# Altium PCB STM32L476VE.PcbDoc (continued)
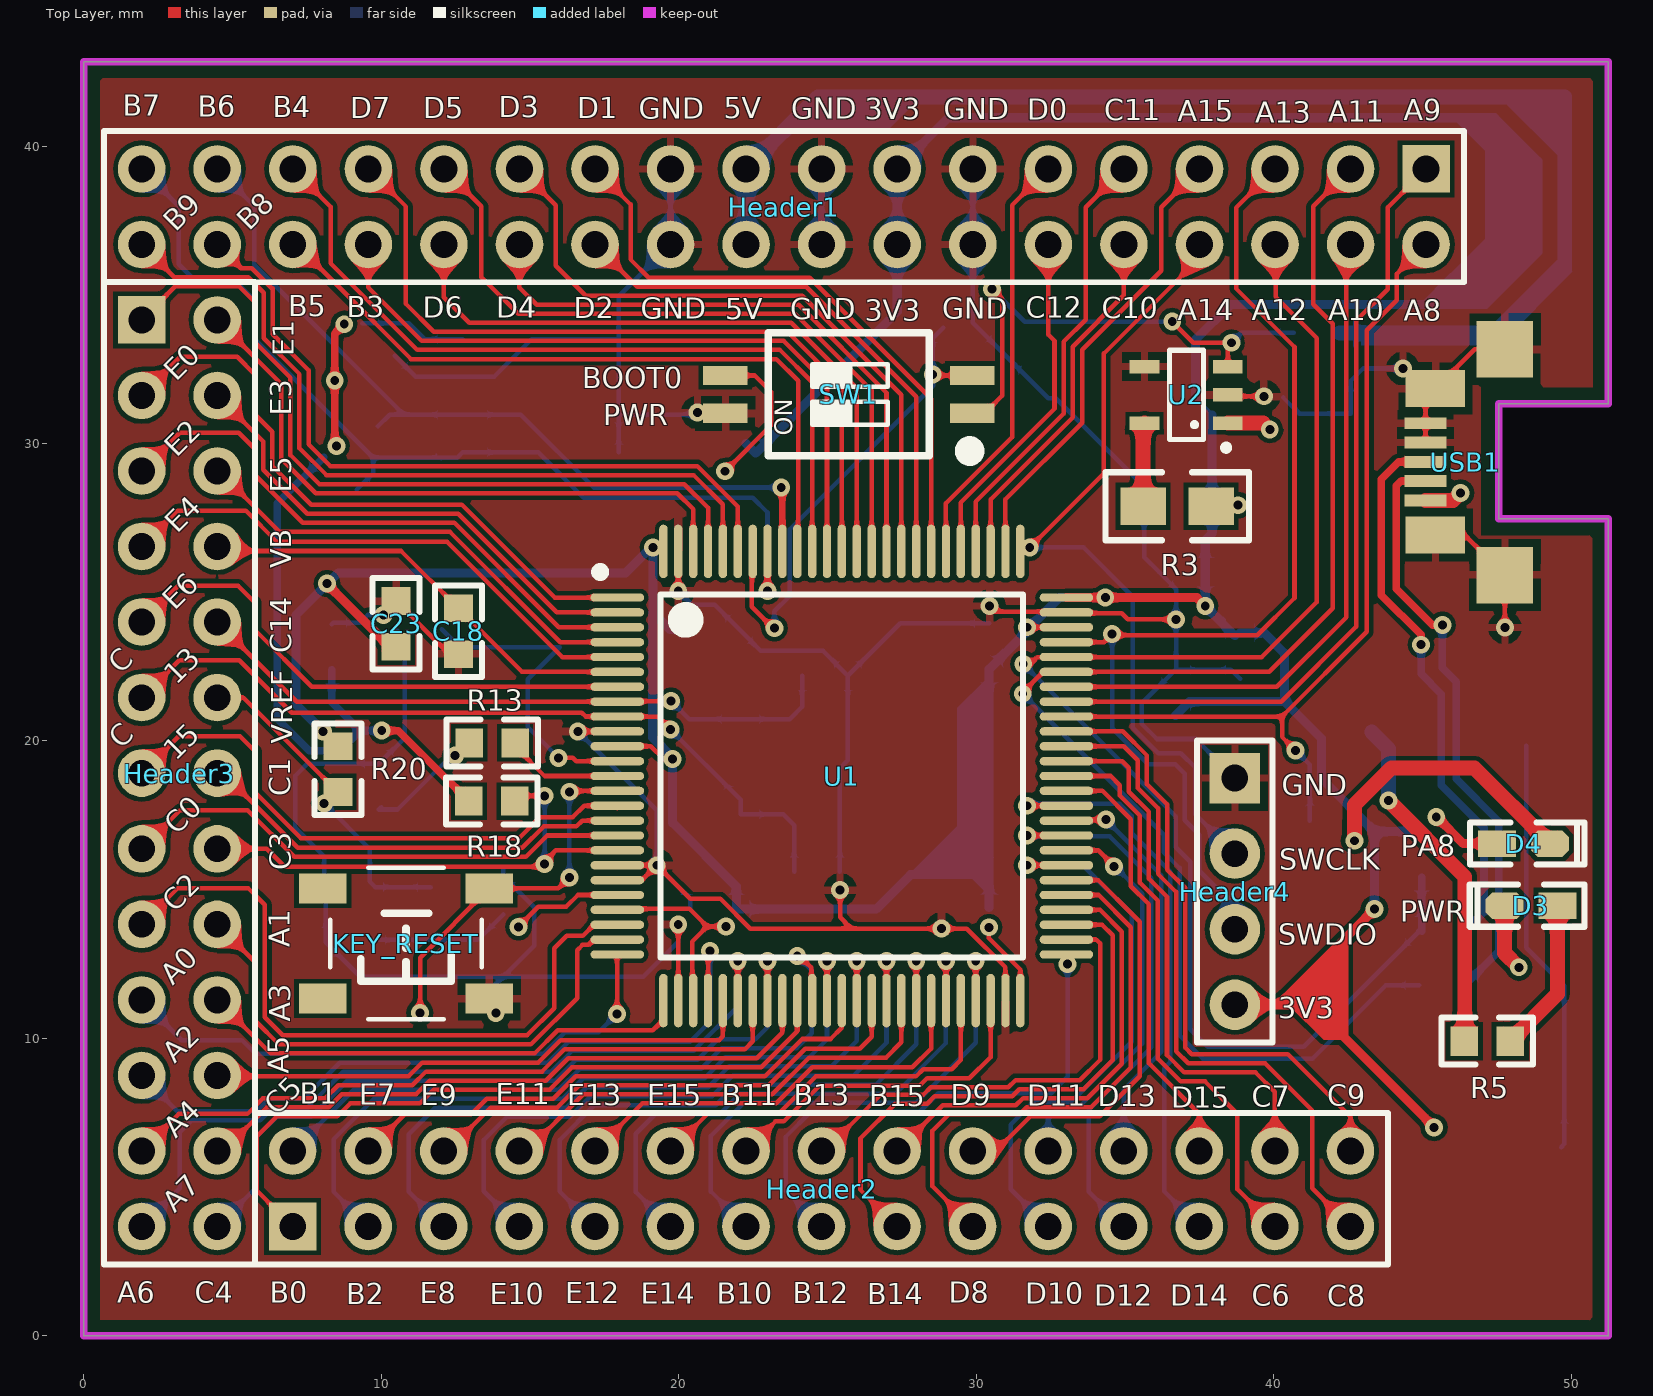
[diagram p0: Top Layer view]
## Nets (pads, with @x,y where several pads share a name; then routed paths per layer and width w, separated by ;. In a path a pad name is that pad's centre, name@x,y a point inside that pad or via, vN(x,y) a via of type N, cw(c..) or ccw(c..) an arc to the next point about the centre after c; other vN are vias at no path point) (continued)
  Bottom Layer w0.152: v1(19.72,20.38) 22.074,18.026 X2.4 23.504,17.531 23.875,17.16 C11.1
OSC_IN: C8.1 U1.12 X1.1 | length 11
  Top Layer w0.152: v1@16.064,19.321 v1(15.955,19.43) 15.96,19.435 16.43,19.435 16.544,19.321 U1.12
  Bottom Layer w0.152: C8.1 12.636,23.149 X1.1 14.915,22.07 14.915,20.47 v1(15.955,19.43)
OSC_OUT: R13.2 U1.13 | length 4
  Top Layer w0.152: R13.2 14.495,19.81 15.484,18.821 U1.13
OUTPUT3.3V: C1.1 C3.1 C15.1 C16.1 C19.1 C20.2 C21.2 C22.2 C23.1 D2.2 D4.1 DZ2.2 Header1.15 Header1.16 Header4.4 R3.2 R6.2 R10.1 R20.2 U1.11 U1.22 U1.28 U1.50 U1.73 U1.75 U1.100 | length 168.8
  Top Layer w0.152: U1.22 17.929,14.359 20.356,14.359 20.955,13.76 ; U1.11 19.052,19.821 19.482,19.391 v1(19.79,19.391) ; U1.28 20.451,11.271 20.451,13.256 20.955,13.76 ; v1(21.585,13.76) 20.955,13.76 ; v1(30.42,13.735) 30.42,13.375 31.479,12.316 U1.50 ; v1(31.702,23.821) U1.73
  Top Layer w0.304: v1(8.165,25.29) 8.165,25.281 10.281,23.165 C23.1 ; U1.75 v1(34.335,24.821) 37.414,24.821 v1(37.695,24.54) ; Header4.4 40.165,11.13 ; v1(43.38,14.345) 40.165,11.13 ; v1(45.39,7.01) 41.27,11.13 40.165,11.13 ; v1(45.461,17.439) 45.486,17.439 46.375,16.55 D4.1
  Bottom Layer w0.152: D2.2@37.365,31.52 D2.2@37.926,30.959
  Bottom Layer w0.304: v1(8.035,20.32) 7.125,21.23 7.125,24.22 8.555,25.65 18.21,25.65 v1@19.065,26.505 ; v1(19.13,26.505) 19.13,24.315 ; C19.1 19.694,23.751 19.13,24.315 ; R6.2@22.26,29.995 R6.2 27.34,34.435 Header1.16 Header1.15 29.06,40.95 47.415,40.95 48.875,39.49 48.875,36.43 47.115,34.67 38.555,34.67 37.365,33.48 D2.2@37.365,31.52 ; C21.2@30.429,14.396 30.429,16.09 ; v1@31.702,23.689 C15.1 30.429,16.09 ; v1@31.744,23.779 32.786,24.821 v1(34.335,24.821) ; C16.1 37.161,21.321 40.355,21.321 40.355,22.955 39.68,23.63 C20.2 ; v1(37.695,24.54) C3.1 37.695,26.745 37.926,26.976 C1.1 D2.2@37.926,30.959 ; v1@37.715,24.52 C20.2@38.693,23.542 ; 40.355,21.33 41.605,20.08 41.605,18.73 43.38,16.955 ; v1(43.38,14.345) 43.38,16.955 ; R10.1 43.38,16.955 ; 19.13,24.315 19.116,24.301 19.116,20.116 19.79,19.441 v1(19.79,19.391) 19.79,17.245 21.929,15.106 C22.2 26.631,14.346 27.79,15.505 29.844,15.505 30.429,16.09
  other v1: 38.79,27.925
PA0: Header3.17 U1.23 | length 23.5
  Top Layer w0.152: Header3.17 3.16,15.055 5.515,15.055 6.075,14.495 6.075,12.184 6.079,12.18 6.079,10.706 6.684,10.101 14.896,10.101 15.805,11.01 15.805,13.025 16.226,13.446 16.774,13.446 17.148,13.821 U1.23
PA1: Header3.18 U1.24 | length 18.7
  Top Layer w0.152: Header3.18 5.771,12.544 5.771,12.054 5.775,12.05 5.775,10.58 6.558,9.797 15.022,9.797 16.58,11.355 16.58,12.965 16.757,13.142 16.969,13.142 17.148,13.321 U1.24
PA2: Header3.19 U1.25 | length 19.3
  Top Layer w0.152: v1(17.92,10.825) 17.92,12.812 U1.25
  Bottom Layer w0.152: Header3.19 3.275,9.96 3.275,9.935 5.31,9.935 5.755,9.49 15.461,9.49 16.183,10.213 17.307,10.213 v1(17.92,10.825)
PA3: Header3.20 U1.26 | length 16.9
  Top Layer w0.152: Header3.20 6.282,9.493 15.148,9.493 15.925,10.27 19.125,10.27 19.479,10.624 U1.26
PA4: Header3.21 U1.29 | length 24.9
  Top Layer w0.152: U1.29 20.979,12.869 v1(21.05,12.94)
  Bottom Layer w0.152: Header3.21 3.141,7.554 5.799,7.554 6.224,7.979 7.389,7.979 8.596,9.186 15.587,9.186 16.297,9.896 20.377,9.896 21.051,10.57 v1(21.05,12.94)
PA5: Header3.22 U1.30 | length 18.8
  Top Layer w0.152: Header3.22 4.509,8.726 10.911,8.726 11.374,9.189 15.274,9.189 16.029,9.944 21.355,9.944 21.479,10.068 U1.30
PA6: Header3.25 U1.31 | length 27.1
  Top Layer w0.152: U1.31 21.979,12.342 v1(21.979,12.598)
  Bottom Layer w0.152: Header3.25 3.225,4.96 3.225,6.85 3.625,7.25 5.925,7.25 6.35,7.675 7.515,7.675 8.722,8.882 15.712,8.882 16.422,9.592 20.503,9.592 21.979,11.068 v1(21.979,12.598)
PA7: Header3.23 U1.32 | length 23.4
  Top Layer w0.152: Header3.23 3.185,7.46 5.495,7.46 6.018,7.983 8.104,7.983 8.543,8.422 11.037,8.422 11.5,8.885 15.4,8.885 16.155,9.64 22.22,9.64 22.479,9.899 U1.32
PA8: Header1.2 R2.2 U1.67 | length 29
  Top Layer w0.152: U1.67 40.276,20.821 ; v1(40.73,19.68) 40.276,20.134 40.276,20.821 ; Header1.2 44.129,35.699 44.129,34.819 43.12,33.81 43.12,23.665 40.276,20.821
  Bottom Layer w0.152: v1(40.73,19.68) 41.215,19.195 R2.2
PA9: Header1.1 U1.68 | length 27.1
  Top Layer w0.152: U1.68 40.252,21.321 42.776,23.844 42.776,34.136 43.825,35.185 43.825,37.935 Header1.1
PA10: Header1.4 U1.69 | length 23
  Top Layer w0.152: U1.69 40.101,21.821 42.43,24.15 42.43,36.54 Header1.4
PA15: Header1.7 U1.77 | length 15.6
  Top Layer w0.152: U1.77 30.979,28.124 33.555,30.7 33.555,33.145 36.215,35.805 36.215,37.945 Header1.7
PB0: Header2.1 U1.35 | length 24.2
  Top Layer w0.152: Header2.1 5.805,4.885 5.805,6.7 6.48,7.375 8.515,7.375 8.954,7.814 11.289,7.814 11.752,8.277 15.652,8.277 16.406,9.031 22.766,9.031 23.979,10.244 U1.35
PB1: Header2.2 U1.36 | length 23.7
  Top Layer w0.152: v1(23.979,12.775) 24.06,12.775 24.451,12.384 24.451,11.299 U1.36
  Bottom Layer w0.152: Header2.2 9.074,8.274 15.964,8.274 16.674,8.984 20.754,8.984 21.434,9.664 23.954,9.664 24.465,10.175 24.465,12.289 v1(23.979,12.775)
PB2: Header2.3 U1.37 | length 25.4
  Top Layer w0.152: U1.37 v1(24.979,12.598)
  Bottom Layer w0.152: Header2.3 8.39,4.84 8.39,6.61 9.75,7.97 16.09,7.97 16.781,8.661 20.861,8.661 21.56,9.36 24.375,9.36 24.979,9.964 v1(24.979,12.598)
PB3: Header1.30 U1.89 | length 23.8
  Top Layer w0.152: Header1.30 9.56,35.245 11.358,33.447 23.523,33.447 24.979,31.991 U1.89
PB4: Header1.31 U1.90 | length 27.2
  Top Layer w0.152: Header1.31 8.29,37.96 8.29,36.055 11.202,33.143 23.397,33.143 24.479,32.061 U1.90
PB5: Header1.32 U1.91 | length 24.6
  Top Layer w0.152: Header1.32 7.142,36.69 8.618,35.214 10.993,32.839 23.271,32.839 24.007,32.103 24.007,26.399 U1.91
PB8: Header1.34 U1.95 | length 25
  Top Layer w0.152: Header1.34 5.276,35.894 5.646,35.894 6.318,35.222 6.343,35.222 6.343,33.667 7.549,32.461 7.549,29.971 8.278,29.242 20.618,29.242 21.979,27.881 U1.95
PB9: Header1.36 U1.96 | length 27.1
  Top Layer w0.152: Header1.36 3.04,35.59 5.52,35.59 6.039,35.071 6.039,33.541 7.245,32.335 7.245,29.845 8.152,28.938 20.492,28.938 21.479,27.951 U1.96
PB10: Header2.13 U1.47 | length 17.8
  Top Layer w0.152: U1.47 29.979,12.342 v1(29.979,12.598)
  Bottom Layer w0.152: Header2.13 21.078,4.853 21.078,6.727 22.19,7.84 27.97,7.84 29.979,9.849 v1(29.979,12.598)
PB11: Header2.14 U1.48 | length 11.4
  Top Layer w0.152: Header2.14 23.247,7.207 23.522,7.207 24.731,8.416 28.096,8.416 28.341,8.661 29.766,8.661 30.479,9.374 U1.48
PB12: Header2.15 U1.51 | length 18.1
  Top Layer w0.152: U1.51 U1.51@33.12,12.73 ; v1(33.065,12.495) v1@33.065,12.675 ; v1@33.065,12.675 U1.51@33.12,12.73 ; v1@33.065,12.675 U1.51@33.12,12.73
  Bottom Layer w0.152: Header2.15 23.6,4.87 23.6,6.7 24.436,7.536 28.096,7.536 28.717,8.157 32.512,8.157 33.065,8.71 v1(33.065,12.495)
PB13: Header2.16 U1.52 | length 15.7
  Top Layer w0.152: Header2.16 24.895,6.215 26.577,7.897 26.792,8.112 28.222,8.112 28.467,8.357 31.077,8.357 31.316,8.596 33.477,8.596 34.157,9.276 34.157,13.202 34.038,13.321 U1.52
PB14: Header2.17 U1.53 | length 18.9
  Top Layer w0.152: Header2.17 26.105,4.905 26.105,6.643 27.27,7.808 28.348,7.808 28.593,8.053 31.203,8.053 31.442,8.292 33.603,8.292 34.585,9.274 34.585,13.462 34.226,13.821 U1.53
PB15: Header2.18 U1.54 | length 15.4
  Top Layer w0.152: Header2.18 28.869,7.749 31.329,7.749 31.568,7.988 33.729,7.988 34.889,9.148 34.889,13.588 34.156,14.321 U1.54
PC0: Header3.13 U1.15 | length 19.3
  Top Layer w0.152: Header3.13 3.185,20.16 5.245,20.16 5.76,19.645 5.76,18.265 7.29,16.735 14.633,16.735 15.327,17.429 16.424,17.429 16.816,17.821 U1.15 U1.15@17.929,17.745
PC1: Header3.14 U1.16 | length 14.9
  Top Layer w0.152: Header3.14 4.68,18.915 7.19,16.405 14.733,16.405 15.453,17.125 16.55,17.125 16.746,17.321 U1.16
PC2: Header3.15 U1.17 | length 17.5
  Top Layer w0.152: Header3.15 3.23,17.665 5.5,17.665 7.064,16.101 14.859,16.101 15.579,16.821 U1.17
PC3: Header3.16 R18.2 U1.18 | length 18.7
  Top Layer w0.152: Header3.16 6.143,16.375 6.75,15.768 v1@15.311,15.768 ; R18.2 R18.2@14.55,17.905 ; v1(15.485,15.866) 15.387,15.768 v1@15.311,15.768 ; v1(15.485,18.155) R18.2@14.8,18.155 ; U1.18 15.864,16.321 ; R18.2@14.55,17.905 R18.2@14.8,18.155 ; R18.2@14.55,17.905 R18.2@14.8,18.155 ; v1@15.311,15.768 15.864,16.321 ; v1@15.311,15.768 15.864,16.321
  Bottom Layer w0.152: v1(15.485,15.866) v1(15.485,18.155)
PC3_POWER: C12.1 C17.1 R16.2 R17.2 R18.1 U3.8 | length 27.9
  Top Layer w0.254: v1(8.49,29.92) 8.43,29.98 v1(8.43,32.115) 8.43,33.69 v1(8.75,34.01) ; v1(10.01,20.345) 10.57,20.345 R18.1
  Bottom Layer w0.152: R16.2@8.054,29.539 R16.2 ; C17.1 10.926,34.039 11.455,33.51 U3.8
  Bottom Layer w0.254: R16.2@8.054,29.539 6.505,27.99 6.505,20.74 7.575,19.67 8.61,19.67 9.285,20.345 ; C12.1 8.33,21.3 9.285,20.345 ; v1(10.01,20.345) 9.285,20.345
PC4: Header3.26 U1.33 | length 25.8
  Top Layer w0.152: U1.33 22.979,12.342 v1(22.979,12.598)
  Bottom Layer w0.152: Header3.26 5.815,5.01 5.815,6.71 6.476,7.371 7.641,7.371 8.848,8.578 15.838,8.578 16.548,9.288 20.629,9.288 21.309,9.968 22.573,9.968 22.979,10.374 v1(22.979,12.598)
PC5: Header3.24 U1.34 | length 21.7
  Top Layer w0.152: Header3.24 4.68,6.215 6.144,7.679 8.23,7.679 8.669,8.118 11.163,8.118 11.626,8.581 15.526,8.581 16.28,9.335 22.62,9.335 23.479,10.194 U1.34
PC6: Header2.27 U1.63 | length 19.4
  Top Layer w0.152: U1.63 34.514,18.821 34.823,18.512 34.823,18.166 35.499,17.49 35.499,15.238 36.105,14.632 36.105,9.315 36.868,8.552 37.688,8.552 38.775,7.465 38.775,4.935 Header2.27
PC7: Header2.28 U1.64 | length 18.5
  Top Layer w0.152: U1.64 34.906,19.321 35.127,19.1 35.127,18.292 35.803,17.616 35.803,15.364 36.409,14.758 36.409,9.441 36.994,8.856 39.384,8.856 40.035,8.205 Header2.28
PC8: Header2.29 U1.65 | length 22.7
  Top Layer w0.152: U1.65 34.955,19.821 35.431,19.345 35.431,18.418 36.107,17.742 36.107,15.529 36.713,14.923 36.713,9.567 37.12,9.16 39.705,9.16 41.29,7.575 41.29,4.96 Header2.29
PC9: Header2.30 U1.66 | length 21.1
  Top Layer w0.152: U1.66 34.924,20.321 35.735,19.51 35.735,18.544 36.411,17.868 36.411,15.669 37.017,15.063 37.017,9.693 37.24,9.47 40.475,9.47 42.575,7.37 Header2.30
PC10: Header1.10 U1.78 | length 12.2
  Top Layer w0.152: U1.78 30.479,28.119 33.235,30.875 33.235,33.255 34.96,34.98 Header1.10
PC11: Header1.9 U1.79 | length 14.9
  Top Layer w0.152: U1.79 29.979,28.049 32.931,31.001 32.931,33.416 33.675,34.16 33.675,37.945 Header1.9
PC12: Header1.12 U1.80 | length 11.7
  Top Layer w0.152: U1.80 29.479,28.014 32.627,31.162 32.627,33.455 32.42,33.662 Header1.12
PC13: Header3.9 U1.7 | length 18.4
  Top Layer w0.152: Header3.9 3.165,25.22 5.18,25.22 5.75,24.65 5.75,23.73 7.659,21.821 U1.7
PD0: Header1.11 U1.81 | length 14.3
  Top Layer w0.152: U1.81 28.979,27.991 31.2,30.212 31.2,38.01 Header1.11
PD1: Header1.23 U1.82 | length 20.7
  Top Layer w0.152: Header1.23 18.375,38.035 18.375,36.185 18.985,35.575 24.404,35.575 28.479,31.501 U1.82
PD2: Header1.24 U1.83 | length 18.1
  Top Layer w0.152: Header1.24 18.599,35.271 24.278,35.271 27.979,31.571 U1.83
PD3: Header1.25 U1.84 | length 22.4
  Top Layer w0.152: Header1.25 15.864,38.006 15.864,35.971 16.868,34.967 24.152,34.967 27.479,31.641 U1.84
PD4: Header1.26 U1.85 | length 20.6
  Top Layer w0.152: Header1.26 14.64,35.239 15.216,34.663 24.027,34.663 26.979,31.711 U1.85
PD5: Header1.27 U1.86 | length 24.3
  Top Layer w0.152: Header1.27 13.36,37.97 13.36,35.595 14.596,34.359 23.901,34.359 26.479,31.781 U1.86
PD6: Header1.28 U1.87 | length 22.4
  Top Layer w0.152: Header1.28 12.1,34.91 12.955,34.055 23.775,34.055 25.979,31.851 U1.87
PD7: Header1.29 U1.88 | length 26.4
  Top Layer w0.152: Header1.29 10.825,37.965 10.825,34.69 11.764,33.751 23.649,33.751 25.479,31.921 U1.88
PD8: Header2.19 U1.55 | length 18.7
  Top Layer w0.152: Header2.19 28.525,5.025 28.525,6.89 29.08,7.445 31.455,7.445 31.694,7.684 33.855,7.684 35.193,9.022 35.193,13.738 34.11,14.821 U1.55
PD9: Header2.20 U1.56 | length 14.9
  Top Layer w0.152: Header2.20 30.655,6.215 31.82,7.38 34.15,7.38 35.497,8.727 35.497,13.918 35.31,14.105 34.105,15.31 34.105,15.321 U1.56
PD10: Header2.21 U1.57 | length 19
  Top Layer w0.152: v1(31.702,15.821) U1.57
  Bottom Layer w0.152: v1(31.702,15.821) 33.579,15.821 35.219,14.181 35.219,9.893 33.178,7.853 31.908,7.853 31.16,7.105 31.16,4.93 Header2.21
PD11: Header2.22 U1.58 | length 13.5
  Top Layer w0.152: U1.58 34.1,16.321 34.629,15.792 v1(34.629,15.778)
  Bottom Layer w0.152: Header2.22 32.415,7.299 32.643,7.527 33.283,7.527 35.582,9.827 35.582,14.858 34.662,15.778 v1(34.629,15.778)
PD12: Header2.23 U1.59 | length 19.2
  Top Layer w0.152: v1(31.702,16.821) U1.59
  Bottom Layer w0.152: v1(31.702,16.821) 31.73,16.793 34.477,16.793 35.886,15.384 35.886,9.701 33.78,7.595 33.78,4.85 Header2.23
PD13: Header2.24 U1.60 | length 13.8
  Top Layer w0.152: U1.60 33.062,17.354 v1(34.354,17.354)
  Bottom Layer w0.152: v1(34.354,17.354) 34.354,17.346 36.222,15.478 36.222,9.546 34.955,8.28 Header2.24
PD14: Header2.25 U1.61 | length 20
  Top Layer w0.152: v1(31.702,17.821) U1.61
  Bottom Layer w0.152: v1(31.702,17.821) 31.763,17.882 34.823,17.882 35.227,17.478 35.227,16.902 36.526,15.604 36.526,9.21 36.315,9 36.315,4.855 Header2.25
PD15: Header2.26 U1.62 | length 14.7
  Top Layer w0.152: U1.62 34.238,18.321 35.195,17.364 35.195,15.112 35.801,14.506 35.801,9.166 37.497,7.47 37.497,6.217 Header2.26
PE0: Header3.1 U1.97 | length 26.4
  Top Layer w0.152: Header3.1 3.071,35.286 5.214,35.286 5.735,34.765 5.735,33.415 6.941,32.209 6.941,29.611 7.918,28.634 20.181,28.634 20.979,27.836 U1.97
PE1: Header3.2 U1.98 | length 21.5
  Top Layer w0.152: Header3.2 6.637,31.998 6.637,29.485 7.792,28.33 19.944,28.33 20.479,27.795 U1.98
PE2: Header3.3 U1.1 | length 21.3
  Top Layer w0.152: Header3.3 3.235,32.91 5.155,32.91 5.727,32.338 5.727,30.997 6.333,30.392 6.333,29.241 7.636,27.938 12.707,27.938 15.824,24.821 U1.1
PE3: Header3.4 U1.2 | length 17
  Top Layer w0.152: Header3.4 6.029,30.066 6.029,29.115 7.51,27.634 12.581,27.634 15.894,24.321 U1.2
PE4: Header3.5 U1.3 | length 19.7
  Top Layer w0.152: Header3.5 3.22,30.355 5.205,30.355 5.725,29.835 5.725,28.96 7.355,27.33 12.455,27.33 15.964,23.821 U1.3
PE5: Header3.6 U1.4 | length 15.8
  Top Layer w0.152: Header3.6 4.535,29.075 6.585,27.025 12.305,27.025 16.009,23.321 U1.4
PE6: Header3.7 U1.5 | length 18.5
  Top Layer w0.152: Header3.7 3.15,27.745 5.435,27.745 6.491,26.689 12.211,26.689 16.079,22.821 U1.5
PE7: Header2.4 U1.38 | length 18.6
  Top Layer w0.152: Header2.4 10.788,7.447 13.017,7.447 13.543,7.973 15.778,7.973 16.532,8.727 22.892,8.727 24.145,9.98 25.099,9.98 25.479,10.36 U1.38
PE8: Header2.5 U1.39 | length 24
  Top Layer w0.152: U1.39 25.979,12.342 v1(25.979,12.598)
  Bottom Layer w0.152: Header2.5 10.92,4.85 10.92,6.775 11.811,7.666 16.216,7.666 16.907,8.357 20.987,8.357 21.686,9.056 25.121,9.056 25.979,9.914 v1(25.979,12.598)
PE9: Header2.6 U1.40 | length 17.2
  Top Layer w0.152: Header2.6 12.215,6.215 13.669,7.669 15.903,7.669 16.657,8.423 23.018,8.423 24.25,9.655 26.08,9.655 26.479,10.054 U1.40
PE10: Header2.7 U1.41 | length 22.4
  Top Layer w0.152: U1.41 v1(26.979,12.598)
  Bottom Layer w0.152: Header2.7 13.445,4.865 13.445,6.585 14.222,7.362 16.342,7.362 17.033,8.053 21.113,8.053 21.812,8.752 25.882,8.752 26.979,9.849 v1(26.979,12.598)
PE11: Header2.8 U1.42 | length 15.8
  Top Layer w0.152: Header2.8 14.879,6.215 16.783,8.119 23.144,8.119 24.376,9.351 26.963,9.351 27.479,9.867 U1.42
PE12: Header2.9 U1.43 | length 20.8
  Top Layer w0.152: U1.43 v1(27.979,12.598)
  Bottom Layer w0.152: Header2.9 15.995,4.855 15.995,6.585 17.159,7.749 21.239,7.749 21.938,8.448 26.628,8.448 27.979,9.799 v1(27.979,12.598)
PE13: Header2.10 U1.44 | length 14.3
  Top Layer w0.152: Header2.10 18.775,7.815 23.27,7.815 24.48,9.025 27.845,9.025 28.479,9.658 U1.44
PE14: Header2.11 U1.45 | length 19.4
  Top Layer w0.152: U1.45 28.979,12.342 v1(28.979,12.598)
  Bottom Layer w0.152: Header2.11 18.555,4.835 18.555,6.79 19.21,7.445 21.365,7.445 22.064,8.144 27.279,8.144 28.979,9.844 v1(28.979,12.598)
PE15: Header2.12 U1.46 | length 13
  Top Layer w0.152: Header2.12 21.011,7.511 23.396,7.511 24.605,8.72 27.97,8.72 28.215,8.965 29.17,8.965 29.479,9.274 29.479,10.2 U1.46
R_USB_N: R8.2 USB1.2 | length 19.9
  Top Layer w0.254: USB1.2 44.273,28.735 44.121,28.583 44.121,25.111 45.337,23.895 v1(45.665,23.895)
  Bottom Layer w0.254: v1(45.665,23.895) 45.665,22.455 46.133,21.988 46.133,21.574 46.133,18.723 47.564,17.292 47.564,14.245 47.564,12.929 R8.2
R_USB_P: R9.2 USB1.3 | length 18.6
  Top Layer w0.254: v1(44.95,23.235) 44.95,23.563 43.613,24.9 43.613,28.793 44.202,29.383 USB1.3
  Bottom Layer w0.254: v1(44.95,23.235) 44.95,22.258 45.634,21.574 45.634,18.516 47.065,17.085 47.065,14.245 R9.2
RESET: C5.1 KEY_RESET.2 U1.14 | length 12.6
  Top Layer w0.152: v1(11.3,10.86) 11.3,12.715 KEY_RESET.2@13.61,15.025 ; v1(16.32,15.41) 16.315,15.41 15.945,15.04 KEY_RESET.2 KEY_RESET.2@13.61,15.025 ; v1(16.32,18.29) 16.351,18.321 U1.14 ; KEY_RESET.2@13.61,15.025 13.61,15.09 KEY_RESET.2@13.61,15.025
  Bottom Layer w0.152: v1@16.315,15.41 v1(16.32,15.41) v1(16.32,18.29)
SWCLK: Header1.8 Header4.2 U1.76 | length 27.2
  Top Layer w0.152: v1(31.795,26.505) 34.29,29 34.29,33.025 37.5,36.235 Header1.8
  Bottom Layer w0.152: v1(31.795,26.505) 33.609,26.505 35.261,24.853 35.261,20.445 36.119,19.588 36.872,19.588 37.365,19.095 37.365,17.535 Header4.2
SWCLK_P: Header1.5 Header4.3 U1.72 | length 36.9
  Top Layer w0.152: U1.72 34.291,23.321 34.525,23.555 39.445,23.555 40.695,24.805 40.695,33.245 38.73,35.21 38.73,37.92 Header1.5 Header1.5@39.39,39.23
  Bottom Layer w0.152: v1(34.565,23.595) 34.565,20.425 35.775,19.215 36.684,19.215 37.003,18.896 37.003,17.336 37.49,16.849 37.49,15.64 38.69,14.44 Header4.3
VBAT: C18.1 Header3.8 U1.6 | length 15.2
  Top Layer w0.152: Header3.8 4.63,26.385 10.66,26.385 C18.1 14.724,22.321 U1.6
VREF: C13.1 Header3.12 L1.1 R20.1 | length 10.8
  Top Layer w0.152: Header3.12 5.361,21.455 R20.1
  Bottom Layer w0.152: v1(8.075,17.9) 9.61,16.365 C13.1 9.797,15.088 L1.1
pads on no net: KEY_RESET.3 KEY_RESET.4 X2.2 X2.3

## Polygon pours and split planes (outlines as drawn)
GND on Top Layer "GND_L01_P114" (solid, remove dead copper, pour order 114): 50.725,42.275 50.72,31.885 46.96,31.885 46.96,26.915 46.97,26.905 50.7,26.91 50.705,0.53 0.545,0.545 0.545,42.28
GND on Top Layer "GND_L01_P112" (solid, remove dead copper, pour order 112): 40.31,33.63 34.48,33.63 34.48,30.345 34.425,30.29 34.625,30.49 40.508,30.49
GND on Top Layer "GND_L01_P113" (solid, remove dead copper, pour order 113): 49.9,25.935 36.79,25.935 35.295,24.44 35.195,24.34 35.195,17.364 49.546,17.364 49.645,17.265
GND on Bottom Layer "GND_L02_P119" (solid, remove dead copper, pour order 119): 0.55,0.535 0.55,42.275 0.545,42.28 50.72,42.28 50.72,31.885 50.715,31.88 46.965,31.88 46.965,26.91 46.97,26.905 50.695,26.905 50.695,0.545 50.685,0.535 0.55,0.535 0.55,0.54 0.545,0.545
+5VIN on Bottom Layer "+5VIN_L02_P117" (solid, remove dead copper, pour order 117): 46.585,31.365 46.487,31.267 37.618,31.267 37.618,16.683 37.565,16.63 38.02,17.085 46.56,17.085 46.56,31.26 46.605,31.305
+5VIN on Bottom Layer "+5VIN_L02_P118" (solid, remove dead copper, pour order 118): 46.345,31.675 35.68,31.675 36.29,31.065 36.29,23.42 43.02,16.69 43.02,16.155 43.02,10.685 44.125,9.58 44.318,9.387 44.318,6.905 44.318,5.987 46.535,3.77 47.95,3.77 47.95,8.395 46.65,9.695 46.42,9.925 46.42,31.675
+5VIN on Bottom Layer "+5VIN_L02_P115" (solid, remove dead copper, pour order 115): 47.39,33.73 42.23,33.73 42.215,33.715 40.97,32.47 38.105,32.47 38.105,31.49 38.328,31.267 45.87,31.267 45.87,32.12 46.16,32.41 46.18,32.39 48.455,32.39 48.455,32.705 47.425,33.735
+5VIN on Bottom Layer "+5VIN_L02_P116" (solid, remove dead copper, pour order 116): 47.405,33.715 42.215,33.715 40.97,32.47 41.46,31.98 41.46,31.015 45.76,31.015 46.42,31.675 46.42,32.14 46.61,32.33 47.915,32.33 48.4,32.33 50.035,34.035 50.035,34.115 50.035,36.06 49.81,36.06 49.78,36.09

## Keep-outs
Keep-Out Layer:
  lines w0.254: 0,0 42.04,0 51.235,0 51.235,27.47 47.555,27.47 47.555,31.33 51.235,31.33 51.235,42.825 0,42.825 0,0

## Other copper
Top Layer:
  region net OUTPUT3.3V: 40.501,11.13 40.501,11.12 41.67,9.95 42.41,9.95 41.27,11.09 41.27,11.13 40.385,11.13 40.37,11.145
  region net OUTPUT3.3V: 40.37,11.145 42.495,13.27 42.495,9.985 41.36,11.12 40.375,11.12
Bottom Layer:
  region net OUTPUT3.3V: 27.735,15.505 29.355,17.125 30.455,17.125 30.374,17.044 30.374,16.09 30.31,16.09 29.725,15.505
  region net OUTPUT3.3V: 29.355,17.125 29.365,17.135 29.365,21.1 29.66,21.1 30.41,21.85 30.455,21.805 30.455,17.125
  region net OUTPUT3.3V: 29.365,21.1 29.365,21.11 30.295,22.04 30.32,22.015 30.32,21.321 30.046,21.321 29.755,21.03 29.685,21.1
  region net OUTPUT3.3V: 29.725,15.505 30.37,14.86 30.37,16.03 30.31,16.09
  region net OUTPUT3.3V: 45.965,40.96 45.985,40.96 48.085,38.86 48.085,36.64 46.115,34.67 47.115,34.67 48.875,36.43 48.875,39.49 47.415,40.95
  region net OUTPUT3.3V: 47.705,35.72 45.935,35.72 44.885,34.67 47.115,34.67 47.115,35.055 47.72,35.66
  region net OUTPUT3.3V: 45.945,35.72 48.355,38.13 48.355,36.48 48.285,36.48 47.075,35.27 46.625,35.72
  region net OUTPUT3.3V: 47.11,40.085 47.11,36.23 47.145,36.195 47.92,36.97 48.455,36.97 48.455,39.39 47.64,40.205 47.185,40.205
  region net +5VIN: 49.74,39.465 49.74,39.48 47.575,41.645 49.78,41.645 49.78,39.655 49.855,39.58
  region net +5VIN: 28.19,41.7 26.915,40.425 23.415,40.425 23.395,40.445 24.595,41.645 28.105,41.645 28.145,41.685
  region net +5VIN: 50.015,36.17 50.015,35.785 50.035,35.765 47.575,33.305 42.934,33.305 42.934,33.569 43.08,33.715 47.525,33.715 50.01,36.2

## Silkscreen, mask and mechanical layers (free items; w line width, h text height)
Top Overlay:
  text "B7" at 1.31,41.02 h0.7
  text "B6" at 3.82,40.985 h0.7
  text "B4" at 6.343,40.965 h0.7
  text "D3" at 13.945,40.965 h0.7
  text "D7" at 8.945,40.94 h0.7
  text "D5" at 11.41,40.94 h0.7
  text "D1" at 16.58,40.93 h0.7
  text "5V" at 21.51,40.94 h0.7
  text "GND" at 18.645,40.92 h0.7
  text "GND" at 23.77,40.92 h0.7
  text "3V3" at 26.255,40.895 h0.7
  text "GND" at 28.905,40.895 h0.7
  text "D0" at 31.715,40.88 h0.7
  text "C11" at 34.297,40.86 h0.7
  text "A9" at 44.376,40.86 h0.7
  text "A15" at 36.767,40.835 h0.7
  text "A11" at 41.832,40.82 h0.7
  text "A13" at 39.383,40.785 h0.7
  text "B8" at 5.56,37.12 h0.7 r45
  text "B9" at 3.09,37.09 h0.7 r45
  text "B5" at 6.862,34.28 h0.7
  text "B3" at 8.827,34.245 h0.7
  text "C12" at 31.657,34.23 h0.7
  text "D6" at 11.395,34.22 h0.7
  text "D4" at 13.867,34.22 h0.7
  text "D2" at 16.465,34.205 h0.7
  text "C10" at 34.22,34.205 h0.7
  text "GND" at 18.725,34.186 h0.7
  text "5V" at 21.55,34.175 h0.7
  text "GND" at 23.75,34.17 h0.7
  text "GND" at 28.85,34.195 h0.7
  text "A14" at 36.767,34.145 h0.7
  text "A12" at 39.262,34.145 h0.7
  text "A10" at 41.832,34.145 h0.7
  text "3V3" at 26.25,34.125 h0.7
  text "A8" at 44.376,34.125 h0.7
  text "E1" at 7.06,32.937 h0.7 r90
  text "E0" at 3.1,32.061 h0.7 r45
  text "BOOT0" at 16.751,31.861 h0.7
  text "E3" at 6.97,30.936 h0.7 r90
  text "PWR" at 17.465,30.61 h0.7
  text "E2" at 3.115,29.5 h0.7 r45
  text "E5" at 6.97,28.34 h0.7 r90
  text "E4" at 3.135,26.95 h0.7 r45
  text "VB" at 6.965,25.805 h0.7 r90
  text "E6" at 3.06,24.365 h0.7 r45
  text "C14" at 6.97,22.945 h0.7 r90
  text "C" at 1.23,22.23 h0.7 r45
  text "13" at 3.095,21.86 h0.7 r45
  text "VREF" at 7,19.9 h0.7 r90
  text "C" at 1.25,19.705 h0.7 r45
  text "15" at 3.08,19.305 h0.7 r45
  text "C1" at 6.941,18.144 h0.7 r90
  text "GND" at 40.266,18.166 h0.7
  text "C0" at 3.125,16.81 h0.7 r45
  text "PA8" at 44.275,16.13 h0.7
  text "C3" at 6.955,15.66 h0.7 r90
  text "SWCLK" at 40.18,15.665 h0.7
  text "C2" at 3.055,14.2 h0.7 r45
  text "PWR" at 44.25,13.918 h0.7
  text "SWDIO" at 40.155,13.15 h0.7
  text "A1" at 6.91,13.071 h0.7 r90
  text "A0" at 2.985,11.75 h0.7 r45
  text "3V3" at 40.15,10.675 h0.7
  text "A3" at 6.93,10.566 h0.7 r90
  text "A2" at 3.05,9.13 h0.7 r45
  text "A5" at 6.89,8.811 h0.7 r90
  text "B1" at 7.255,7.8 h0.7
  text "E11" at 13.84,7.78 h0.7
  text "E7" at 9.255,7.765 h0.7
  text "E9" at 11.317,7.755 h0.7
  text "E13" at 16.245,7.755 h0.7
  text "E15" at 18.928,7.755 h0.7
  text "B11" at 21.433,7.755 h0.7
  text "D9" at 29.135,7.755 h0.7
  text "B13" at 23.865,7.745 h0.7
  text "D11" at 31.717,7.735 h0.7
  text "C9" at 41.796,7.735 h0.7
  text "B15" at 26.405,7.725 h0.7
  text "D13" at 34.08,7.725 h0.7
  text "C7" at 39.252,7.695 h0.7
  text "D15" at 36.545,7.675 h0.7
  text "C5" at 6.48,7.375 h0.7 r45
  text "A4" at 3.08,6.605 h0.7 r45
  text "A7" at 3.06,4.1 h0.7 r45
  text "A6" at 1.117,1.105 h0.7
  text "C4" at 3.717,1.105 h0.7
  text "B0" at 6.247,1.12 h0.7
  text "B12" at 23.825,1.1 h0.7
  text "D8" at 29.077,1.105 h0.7
  text "E8" at 11.287,1.095 h0.7
  text "E12" at 16.175,1.095 h0.7
  text "E14" at 18.71,1.075 h0.7
  text "B10" at 21.28,1.085 h0.7
  text "D10" at 31.64,1.08 h0.7
  text "B2" at 8.817,1.07 h0.7
  text "E10" at 13.64,1.065 h0.7
  text "B14" at 26.335,1.065 h0.7
  text "D12" at 33.97,1.01 h0.7
  text "D14" at 36.515,1.01 h0.7
  text "C6" at 39.252,1.02 h0.7
  text "C8" at 41.796,1 h0.7
Bottom Overlay:
  text "B7" at 2.786,41.026 h0.7
  text "B6" at 5.296,40.991 h0.7
  text "B4" at 7.819,40.971 h0.7
  text "D3" at 15.421,40.971 h0.7
  text "D7" at 10.421,40.946 h0.7
  text "D5" at 12.886,40.946 h0.7
  text "D1" at 18.056,40.936 h0.7
  text "5V" at 22.986,40.946 h0.7
  text "GND" at 20.805,40.925 h0.7
  text "GND" at 25.245,40.926 h0.7
  text "3V3" at 27.731,40.901 h0.7
  text "GND" at 30.381,40.901 h0.7
  text "D0" at 33.191,40.886 h0.7
  text "C11" at 35.773,40.866 h0.7
  text "A9" at 45.851,40.866 h0.7
  text "A15" at 38.243,40.841 h0.7
  text "A11" at 43.308,40.826 h0.7
  text "A13" at 40.859,40.791 h0.7
  text "B8" at 6.6,38.14 h0.7 r45
  text "B9" at 4.125,38.12 h0.7 r45
  text "B3" at 11.335,35.525 h0.7 r45
  text "3V3" at 28.43,34.705 h0.7
  text "GND" at 30.95,34.675 h0.7
  text "A10" at 43.665,34.58 h0.7
  text "C12" at 33.49,34.56 h0.7
  text "A14" at 38.51,34.56 h0.7
  text "A12" at 40.995,34.565 h0.7
  text "D2" at 17.839,34.541 h0.7
  text "GND" at 25.91,34.535 h0.7
  text "C10" at 36.03,34.55 h0.7
  text "B5" at 7.774,34.5 h0.7
  text "D6" at 12.827,34.506 h0.7
  text "D4" at 15.375,34.506 h0.7
  text "GND" at 20.885,34.505 h0.7
  text "5V" at 22.994,34.5 h0.7
  text "A8" at 45.934,34.52 h0.7
  text "E1" at 7.065,34.07 h0.7 r90
  text "E0" at 4.105,33.055 h0.7 r45
  text "E3" at 6.95,32.395 h0.7 r90
  text "E2" at 4.085,30.47 h0.7 r45
  text "E5" at 6.965,29.815 h0.7 r90
  text "E4" at 4.105,27.92 h0.7 r45
  text "VB" at 6.985,27.25 h0.7 r90
  text "E6" at 4.1,25.405 h0.7 r45
  text "C14" at 6.935,24.945 h0.7 r90
  text "13" at 4.05,22.82 h0.7 r45
  text "VREF" at 7.015,22.76 h0.7 r90
  text "C" at 1.72,22.71 h0.7 r45
  text "15" at 3.99,20.255 h0.7 r45
  text "C" at 1.74,20.195 h0.7 r45
  text "C1" at 6.915,19.25 h0.7 r90
  text "C0" at 4.1,17.805 h0.7 r45
  text "C3" at 6.935,17.115 h0.7 r90
  text "C2" at 4.09,15.245 h0.7 r45
  text "A1" at 6.885,14.205 h0.7 r90
  text "A0" at 4.05,12.775 h0.7 r45
  text "A3" at 6.95,12.02 h0.7 r90
  text "A5" at 6.9,10.36 h0.7 r90
  text "A2" at 4.12,10.17 h0.7 r45
  text "B1" at 7.925,7.795 h0.7
  text "E11" at 15.316,7.786 h0.7
  text "E7" at 10.731,7.771 h0.7
  text "E9" at 12.793,7.761 h0.7
  text "E13" at 17.721,7.761 h0.7
  text "E15" at 20.404,7.761 h0.7
  text "B11" at 22.908,7.761 h0.7
  text "D9" at 30.611,7.761 h0.7
  text "B13" at 25.341,7.751 h0.7
  text "B15" at 27.881,7.731 h0.7
  text "D11" at 33.193,7.741 h0.7
  text "D13" at 35.556,7.731 h0.7
  text "C9" at 43.271,7.741 h0.7
  text "C5" at 6.605,7.68 h0.7 r45
  text "D15" at 38.021,7.681 h0.7
  text "C7" at 40.728,7.701 h0.7
  text "A4" at 4.135,7.625 h0.7 r45
  text "A7" at 4.105,5.12 h0.7 r45
  text "C8" at 43.265,2.005 h0.7 r180
  text "B0" at 7.723,1.126 h0.7
  text "A6" at 2.593,1.111 h0.7
  text "C4" at 5.193,1.111 h0.7
  text "E8" at 12.763,1.101 h0.7
  text "E12" at 17.651,1.101 h0.7
  text "B12" at 25.301,1.106 h0.7
  text "D8" at 30.553,1.111 h0.7
  text "B2" at 10.293,1.076 h0.7
  text "E14" at 20.186,1.081 h0.7
  text "B10" at 22.756,1.091 h0.7
  text "D10" at 33.116,1.086 h0.7
  text "E10" at 15.116,1.071 h0.7
  text "B14" at 27.811,1.071 h0.7
  text "D12" at 35.446,1.016 h0.7
  text "D14" at 37.991,1.016 h0.7
  text "C6" at 40.69,1.01 h0.7

## Text inside footprints (layer, text, board x,y; h text height)
SW1: Top Overlay "ON" at 24.014,30.253 h1 r90